# EAGLE board Mk4 Final a Panel score 2x5 (EAGLE 9.0.1), part 8 of 29 (continued)
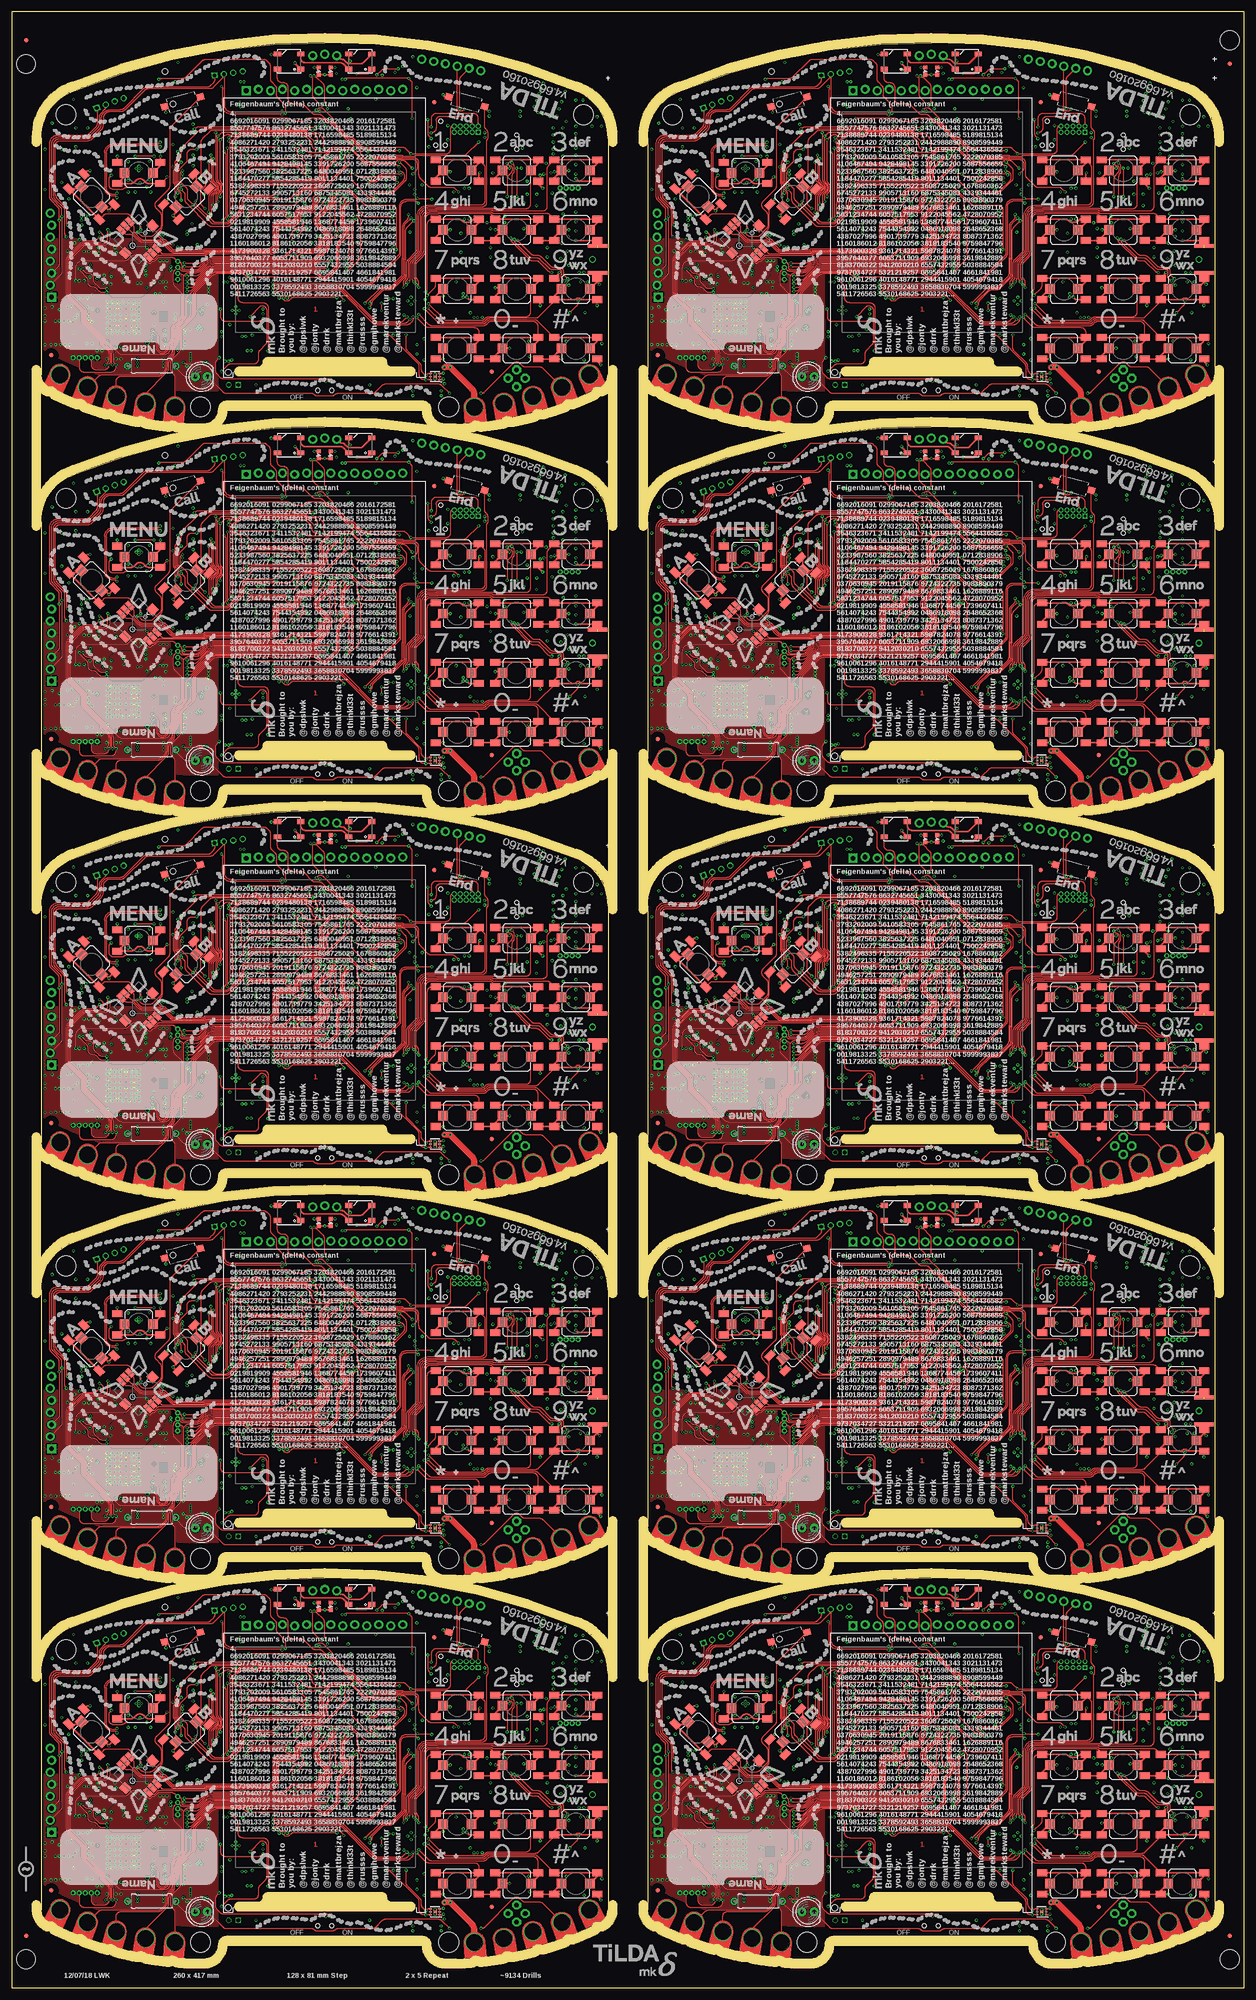
[diagram p0: board, top side]
## Tracks (layer width: path | path; a pad name or v marks a point on that pad's centre or on a via) (continued)
  3V3@2 0.15: v212.2,225.05 212.2,222.8 210.62,221.22 210.62,220.38 210.5,220.26 210.5,214.65 211.7,213.45 v211.7,212.2
  Bottom 0.15: IC92.70 189.8,229.59 arc-45 189.95,229.95 190.25,230.25 arc-45 190.61,230.4 190.79,230.4 arc45 191.15,230.55 191.85,231.25 arc45 192,231.61 C557.2 | R400.1 192,233.79 arc-45 192.15,234.15 v192.25,234.25 | v202.5,193.5 202.5,187.82 arc45 203.01,186.59 208.09,181.51 arc45 209.32,181 212.45,181 arc-90 213.7,179.75 213.7,178.16 arc-45 213.41,177.46 212.41,176.46 arc-45 212.27,176.4 211.56,176.4 arc45 211.42,176.34 211.38,176.31 arc-45 211.24,176.25 S124.2
  Bottom 0.2: C557.2 R400.1
!RESET6  (via drill 0.3)
  Top 0.15: v83.7,293.2 83.7,292.81 arc-45 83.41,292.11 82.82,291.52 arc45 82.53,290.81 82.53,284.15 arc-45 82.5,284.08 82.43,284.01 arc45 82.4,283.94 82.4,280.76 arc-45 82.11,280.06 80.24,278.19 arc-45 79.54,277.9 78.31,277.9 arc45 77.61,277.61 v74.5,274.5
  Top 0.2: J63.10 92.84,311.83 arc45 92.6,311.27 92.6,307.05 arc-90 91.6,306.05 v84.2,306.05 83.19,307.06 arc45 82.49,307.35 74.46,307.35 arc-45 73.75,307.64 72.14,309.25 arc45 71.79,309.4 71.67,309.4 arc-45 70.96,309.69 68.02,312.63 arc-45 67.73,313.34 arc45 67.6,313.65 65.83,315.42 arc90 64.42,315.42 v64.25,315.25
  3V3@2 0.15: v84.2,306.05 84.2,303.8 82.62,302.23 82.62,301.38 82.5,301.26 82.5,295.65 83.7,294.45 v83.7,293.2
  Bottom 0.15: IC110.70 61.8,310.59 arc-45 61.95,310.95 62.25,311.25 arc-45 62.61,311.4 62.79,311.4 arc45 63.15,311.55 63.85,312.25 arc45 64,312.61 C665.2 | R478.1 64,314.79 arc-45 64.15,315.15 v64.25,315.25 | v74.5,274.5 74.5,268.82 arc45 75.01,267.59 80.09,262.51 arc45 81.33,262 84.45,262 arc-90 85.7,260.75 85.7,259.16 arc-45 85.41,258.46 84.41,257.46 arc-45 84.27,257.4 83.56,257.4 arc45 83.42,257.34 83.38,257.31 arc-45 83.24,257.25 S145.2
  Bottom 0.2: C665.2 R478.1
!RESET7  (via drill 0.3)
  Top 0.15: v211.7,293.2 211.7,292.81 arc-45 211.41,292.11 210.82,291.52 arc45 210.53,290.81 210.53,284.15 arc-45 210.5,284.08 210.43,284.01 arc45 210.4,283.94 210.4,280.76 arc-45 210.11,280.06 208.24,278.19 arc-45 207.54,277.9 206.31,277.9 arc45 205.61,277.61 v202.5,274.5
  Top 0.2: J73.10 220.84,311.83 arc45 220.6,311.27 220.6,307.05 arc-90 219.6,306.05 v212.2,306.05 211.19,307.06 arc45 210.49,307.35 202.46,307.35 arc-45 201.75,307.64 200.14,309.25 arc45 199.79,309.4 199.67,309.4 arc-45 198.96,309.69 196.02,312.63 arc-45 195.73,313.34 arc45 195.6,313.65 193.83,315.42 arc90 192.42,315.42 v192.25,315.25
  3V3@2 0.15: v212.2,306.05 212.2,303.8 210.62,302.23 210.62,301.38 210.5,301.26 210.5,295.65 211.7,294.45 v211.7,293.2
  Bottom 0.15: IC128.70 189.8,310.59 arc-45 189.95,310.95 190.25,311.25 arc-45 190.61,311.4 190.79,311.4 arc45 191.15,311.55 191.85,312.25 arc45 192,312.61 C773.2 | R556.1 192,314.79 arc-45 192.15,315.15 v192.25,315.25 | v202.5,274.5 202.5,268.82 arc45 203.01,267.59 208.09,262.51 arc45 209.32,262 212.45,262 arc-90 213.7,260.75 213.7,259.16 arc-45 213.41,258.46 212.41,257.46 arc-45 212.27,257.4 211.56,257.4 arc45 211.42,257.34 211.38,257.31 arc-45 211.24,257.25 S166.2
  Bottom 0.2: C773.2 R556.1
!RESET8  (via drill 0.3)
  Top 0.15: v83.7,374.2 83.7,373.81 arc-45 83.41,373.11 82.82,372.52 arc45 82.53,371.81 82.53,365.15 arc-45 82.5,365.08 82.43,365.01 arc45 82.4,364.94 82.4,361.76 arc-45 82.11,361.06 80.24,359.19 arc-45 79.54,358.9 78.31,358.9 arc45 77.61,358.61 v74.5,355.5
  Top 0.2: J83.10 92.84,392.83 arc45 92.6,392.27 92.6,388.05 arc-90 91.6,387.05 v84.2,387.05 83.19,388.06 arc45 82.49,388.35 74.46,388.35 arc-45 73.75,388.64 72.14,390.25 arc45 71.79,390.4 71.67,390.4 arc-45 70.96,390.69 68.02,393.63 arc-45 67.73,394.34 arc45 67.6,394.65 65.83,396.42 arc90 64.42,396.42 v64.25,396.25
  3V3@2 0.15: v84.2,387.05 84.2,384.8 82.62,383.23 82.62,382.38 82.5,382.26 82.5,376.65 83.7,375.45 v83.7,374.2
  Bottom 0.15: IC146.70 61.8,391.59 arc-45 61.95,391.95 62.25,392.25 arc-45 62.61,392.4 62.79,392.4 arc45 63.15,392.55 63.85,393.25 arc45 64,393.61 C881.2 | R634.1 64,395.79 arc-45 64.15,396.15 v64.25,396.25 | v74.5,355.5 74.5,349.82 arc45 75.01,348.59 80.09,343.51 arc45 81.33,343 84.45,343 arc-90 85.7,341.75 85.7,340.16 arc-45 85.41,339.46 84.41,338.46 arc-45 84.27,338.4 83.56,338.4 arc45 83.42,338.34 83.38,338.31 arc-45 83.24,338.25 S187.2
  Bottom 0.2: C881.2 R634.1
!RESET9  (via drill 0.3)
  Top 0.15: v211.7,374.2 211.7,373.81 arc-45 211.41,373.11 210.82,372.52 arc45 210.53,371.81 210.53,365.15 arc-45 210.5,365.08 210.43,365.01 arc45 210.4,364.94 210.4,361.76 arc-45 210.11,361.06 208.24,359.19 arc-45 207.54,358.9 206.31,358.9 arc45 205.61,358.61 v202.5,355.5
  Top 0.2: J93.10 220.84,392.83 arc45 220.6,392.27 220.6,388.05 arc-90 219.6,387.05 v212.2,387.05 211.19,388.06 arc45 210.49,388.35 202.46,388.35 arc-45 201.75,388.64 200.14,390.25 arc45 199.79,390.4 199.67,390.4 arc-45 198.96,390.69 196.02,393.63 arc-45 195.73,394.34 arc45 195.6,394.65 193.83,396.42 arc90 192.42,396.42 v192.25,396.25
  3V3@2 0.15: v212.2,387.05 212.2,384.8 210.62,383.23 210.62,382.38 210.5,382.26 210.5,376.65 211.7,375.45 v211.7,374.2
  Bottom 0.15: IC164.70 189.8,391.59 arc-45 189.95,391.95 190.25,392.25 arc-45 190.61,392.4 190.79,392.4 arc45 191.15,392.55 191.85,393.25 arc45 192,393.61 C989.2 | R712.1 192,395.79 arc-45 192.15,396.15 v192.25,396.25 | v202.5,355.5 202.5,349.82 arc45 203.01,348.59 208.09,343.51 arc45 209.32,343 212.45,343 arc-90 213.7,341.75 213.7,340.16 arc-45 213.41,339.46 212.41,338.46 arc-45 212.27,338.4 211.56,338.4 arc45 211.42,338.34 211.38,338.31 arc-45 211.24,338.25 S208.2
  Bottom 0.2: C989.2 R712.1
!WAKE  (via drill 0.3)
  Top 0.15: v60.5,65.2 62.11,63.59 arc45 62.81,63.3 65.87,63.3 arc45 66.22,63.45 66.81,64.03 arc-45 67.52,64.33 71.23,64.33 arc-45 71.76,64.1 74.4,61.47 arc45 75.11,61.17 76.24,61.17 76.27,61.2 80.54,61.2 arc45 81.25,61.49 81.52,61.77 arc-45 81.66,61.83 81.94,61.83 arc-45 82.08,61.77 82.18,61.66 arc45 82.33,61.6 82.49,61.6 arc-45 83.19,61.31 v84.5,60 | v75.5,31.5 75.52,31.52 arc-45 75.75,32.08 77.98,34.31 arc-45 78.69,34.6 79.66,34.6 arc45 80.37,34.89 82.41,36.93 arc45 82.7,37.64 82.7,40.82 arc-45 82.73,40.89 82.8,40.96 arc45 82.83,41.03 82.83,47.66 arc-45 83.12,48.37 v84.22,49.48
  3V3@2 0.15: v84.22,49.48 84.22,50.58 84.1,50.7 84.1,51.48 82.8,52.78 82.8,58.13 82.92,58.26 82.92,58.42 v84.5,60
  Bottom 0.15: S20.2 58.25,14.25 59.21,13.29 arc45 59.91,13 62.88,13 arc-45 63.59,12.71 63.97,12.32 arc45 64.32,12.18 67.68,12.18 arc45 68.03,12.32 68.42,12.71 arc-45 69.12,13 82.09,13 arc45 82.79,13.29 83.54,14.04 arc-45 83.68,14.1 84.39,14.1 arc45 84.53,14.16 85.63,15.26 arc45 86,16.14 86,17.8 arc90 84.5,19.3 81.4,19.3 arc-45 80.34,19.74 75.34,24.74 arc-45 74.9,25.8 74.9,30.49 arc-45 75.19,31.19 v75.5,31.5 | IC1.64 v60.5,65.2
  Bottom 0.2: IC1.64 56.7,65.2 R5.1
!WAKE1  (via drill 0.3)
  Top 0.15: v188.5,65.2 190.11,63.59 arc45 190.81,63.3 193.87,63.3 arc45 194.22,63.45 194.81,64.03 arc-45 195.51,64.33 199.23,64.33 arc-45 199.76,64.1 202.4,61.47 arc45 203.11,61.17 204.24,61.17 204.27,61.2 208.54,61.2 arc45 209.25,61.49 209.52,61.77 arc-45 209.66,61.83 209.94,61.83 arc-45 210.08,61.77 210.18,61.66 arc45 210.32,61.6 210.49,61.6 arc-45 211.19,61.31 v212.5,60 | v203.5,31.5 203.52,31.52 arc-45 203.75,32.08 205.98,34.31 arc-45 206.69,34.6 207.66,34.6 arc45 208.37,34.89 210.41,36.93 arc45 210.7,37.64 210.7,40.82 arc-45 210.73,40.89 210.8,40.96 arc45 210.82,41.03 210.82,47.66 arc-45 211.12,48.37 v212.22,49.48
  3V3@2 0.15: v212.22,49.48 212.22,50.58 212.1,50.7 212.1,51.48 210.8,52.78 210.8,58.13 210.93,58.26 210.93,58.42 v212.5,60
  Bottom 0.15: S41.2 186.25,14.25 187.21,13.29 arc45 187.91,13 190.88,13 arc-45 191.58,12.71 191.97,12.32 arc45 192.32,12.18 195.68,12.18 arc45 196.03,12.32 196.41,12.71 arc-45 197.12,13 210.09,13 arc45 210.79,13.29 211.54,14.04 arc-45 211.68,14.1 212.39,14.1 arc45 212.53,14.16 213.63,15.26 arc45 214,16.14 214,17.8 arc90 212.5,19.3 209.4,19.3 arc-45 208.34,19.74 203.34,24.74 arc-45 202.9,25.8 202.9,30.49 arc-45 203.19,31.19 v203.5,31.5 | IC20.64 v188.5,65.2
  Bottom 0.2: IC20.64 184.7,65.2 R89.1
!WAKE2  (via drill 0.3)
  Top 0.15: v60.5,146.2 62.11,144.59 arc45 62.81,144.3 65.87,144.3 arc45 66.22,144.45 66.81,145.03 arc-45 67.52,145.32 71.23,145.32 arc-45 71.76,145.1 74.4,142.47 arc45 75.11,142.18 76.24,142.18 76.27,142.2 80.54,142.2 arc45 81.25,142.49 81.52,142.77 arc-45 81.66,142.82 81.94,142.82 arc-45 82.08,142.77 82.18,142.66 arc45 82.33,142.6 82.49,142.6 arc-45 83.19,142.31 v84.5,141 | v75.5,112.5 75.52,112.52 arc-45 75.75,113.08 77.98,115.31 arc-45 78.69,115.6 79.66,115.6 arc45 80.37,115.89 82.41,117.93 arc45 82.7,118.64 82.7,121.82 arc-45 82.73,121.89 82.8,121.96 arc45 82.83,122.03 82.83,128.66 arc-45 83.12,129.37 v84.22,130.47
  3V3@2 0.15: v84.22,130.47 84.22,131.57 84.1,131.7 84.1,132.48 82.8,133.78 82.8,139.13 82.92,139.26 82.92,139.43 v84.5,141
  Bottom 0.15: S62.2 58.25,95.25 59.21,94.29 arc45 59.91,94 62.88,94 arc-45 63.59,93.71 63.97,93.32 arc45 64.32,93.17 67.68,93.17 arc45 68.03,93.32 68.42,93.71 arc-45 69.12,94 82.09,94 arc45 82.79,94.29 83.54,95.04 arc-45 83.68,95.1 84.39,95.1 arc45 84.53,95.16 85.63,96.26 arc45 86,97.14 86,98.8 arc90 84.5,100.3 81.4,100.3 arc-45 80.34,100.74 75.34,105.74 arc-45 74.9,106.8 74.9,111.49 arc-45 75.19,112.19 v75.5,112.5 | IC38.64 v60.5,146.2
  Bottom 0.2: IC38.64 56.7,146.2 R167.1
!WAKE3  (via drill 0.3)
  Top 0.15: v188.5,146.2 190.11,144.59 arc45 190.81,144.3 193.87,144.3 arc45 194.22,144.45 194.81,145.03 arc-45 195.51,145.32 199.23,145.32 arc-45 199.76,145.1 202.4,142.47 arc45 203.11,142.18 204.24,142.18 204.27,142.2 208.54,142.2 arc45 209.25,142.49 209.52,142.77 arc-45 209.66,142.82 209.94,142.82 arc-45 210.08,142.77 210.18,142.66 arc45 210.32,142.6 210.49,142.6 arc-45 211.19,142.31 v212.5,141 | v203.5,112.5 203.52,112.52 arc-45 203.75,113.08 205.98,115.31 arc-45 206.69,115.6 207.66,115.6 arc45 208.37,115.89 210.41,117.93 arc45 210.7,118.64 210.7,121.82 arc-45 210.73,121.89 210.8,121.96 arc45 210.82,122.03 210.82,128.66 arc-45 211.12,129.37 v212.22,130.47
  3V3@2 0.15: v212.22,130.47 212.22,131.57 212.1,131.7 212.1,132.48 210.8,133.78 210.8,139.13 210.93,139.26 210.93,139.43 v212.5,141
  Bottom 0.15: S83.2 186.25,95.25 187.21,94.29 arc45 187.91,94 190.88,94 arc-45 191.58,93.71 191.97,93.32 arc45 192.32,93.17 195.68,93.17 arc45 196.03,93.32 196.41,93.71 arc-45 197.12,94 210.09,94 arc45 210.79,94.29 211.54,95.04 arc-45 211.68,95.1 212.39,95.1 arc45 212.53,95.16 213.63,96.26 arc45 214,97.14 214,98.8 arc90 212.5,100.3 209.4,100.3 arc-45 208.34,100.74 203.34,105.74 arc-45 202.9,106.8 202.9,111.49 arc-45 203.19,112.19 v203.5,112.5 | IC56.64 v188.5,146.2
  Bottom 0.2: IC56.64 184.7,146.2 R245.1
!WAKE4  (via drill 0.3)
  Top 0.15: v60.5,227.2 62.11,225.59 arc45 62.81,225.3 65.87,225.3 arc45 66.22,225.45 66.81,226.03 arc-45 67.52,226.32 71.23,226.32 arc-45 71.76,226.1 74.4,223.47 arc45 75.11,223.18 76.24,223.18 76.27,223.2 80.54,223.2 arc45 81.25,223.49 81.52,223.77 arc-45 81.66,223.82 81.94,223.82 arc-45 82.08,223.77 82.18,223.66 arc45 82.33,223.6 82.49,223.6 arc-45 83.19,223.31 v84.5,222 | v75.5,193.5 75.52,193.52 arc-45 75.75,194.07 77.98,196.31 arc-45 78.69,196.6 79.66,196.6 arc45 80.37,196.89 82.41,198.93 arc45 82.7,199.64 82.7,202.82 arc-45 82.73,202.89 82.8,202.96 arc45 82.83,203.03 82.83,209.66 arc-45 83.12,210.37 v84.22,211.47
  3V3@2 0.15: v84.22,211.47 84.22,212.57 84.1,212.7 84.1,213.48 82.8,214.78 82.8,220.13 82.92,220.26 82.92,220.43 v84.5,222
  Bottom 0.15: S104.2 58.25,176.25 59.21,175.29 arc45 59.91,175 62.88,175 arc-45 63.59,174.71 63.97,174.32 arc45 64.32,174.18 67.68,174.18 arc45 68.03,174.32 68.42,174.71 arc-45 69.12,175 82.09,175 arc45 82.79,175.29 83.54,176.04 arc-45 83.68,176.1 84.39,176.1 arc45 84.53,176.16 85.63,177.26 arc45 86,178.14 86,179.8 arc90 84.5,181.3 81.4,181.3 arc-45 80.34,181.74 75.34,186.74 arc-45 74.9,187.8 74.9,192.49 arc-45 75.19,193.19 v75.5,193.5 | IC74.64 v60.5,227.2
  Bottom 0.2: IC74.64 56.7,227.2 R323.1
!WAKE5  (via drill 0.3)
  Top 0.15: v188.5,227.2 190.11,225.59 arc45 190.81,225.3 193.87,225.3 arc45 194.22,225.45 194.81,226.03 arc-45 195.51,226.32 199.23,226.32 arc-45 199.76,226.1 202.4,223.47 arc45 203.11,223.18 204.24,223.18 204.27,223.2 208.54,223.2 arc45 209.25,223.49 209.52,223.77 arc-45 209.66,223.82 209.94,223.82 arc-45 210.08,223.77 210.18,223.66 arc45 210.32,223.6 210.49,223.6 arc-45 211.19,223.31 v212.5,222 | v203.5,193.5 203.52,193.52 arc-45 203.75,194.07 205.98,196.31 arc-45 206.69,196.6 207.66,196.6 arc45 208.37,196.89 210.41,198.93 arc45 210.7,199.64 210.7,202.82 arc-45 210.73,202.89 210.8,202.96 arc45 210.82,203.03 210.82,209.66 arc-45 211.12,210.37 v212.22,211.47
  3V3@2 0.15: v212.22,211.47 212.22,212.57 212.1,212.7 212.1,213.48 210.8,214.78 210.8,220.13 210.93,220.26 210.93,220.43 v212.5,222
  Bottom 0.15: S125.2 186.25,176.25 187.21,175.29 arc45 187.91,175 190.88,175 arc-45 191.58,174.71 191.97,174.32 arc45 192.32,174.18 195.68,174.18 arc45 196.03,174.32 196.41,174.71 arc-45 197.12,175 210.09,175 arc45 210.79,175.29 211.54,176.04 arc-45 211.68,176.1 212.39,176.1 arc45 212.53,176.16 213.63,177.26 arc45 214,178.14 214,179.8 arc90 212.5,181.3 209.4,181.3 arc-45 208.34,181.74 203.34,186.74 arc-45 202.9,187.8 202.9,192.49 arc-45 203.19,193.19 v203.5,193.5 | IC92.64 v188.5,227.2
  Bottom 0.2: IC92.64 184.7,227.2 R401.1
!WAKE6  (via drill 0.3)
  Top 0.15: v60.5,308.2 62.11,306.59 arc45 62.81,306.3 65.87,306.3 arc45 66.22,306.45 66.81,307.03 arc-45 67.52,307.32 71.23,307.32 arc-45 71.76,307.11 74.4,304.47 arc45 75.11,304.18 76.24,304.18 76.27,304.2 80.54,304.2 arc45 81.25,304.49 81.52,304.77 arc-45 81.66,304.82 81.94,304.82 arc-45 82.08,304.77 82.18,304.66 arc45 82.33,304.6 82.49,304.6 arc-45 83.19,304.31 v84.5,303 | v75.5,274.5 75.52,274.52 arc-45 75.75,275.07 77.98,277.31 arc-45 78.69,277.6 79.66,277.6 arc45 80.37,277.89 82.41,279.93 arc45 82.7,280.64 82.7,283.82 arc-45 82.73,283.89 82.8,283.96 arc45 82.83,284.03 82.83,290.66 arc-45 83.12,291.37 v84.22,292.48
  3V3@2 0.15: v84.22,292.48 84.22,293.57 84.1,293.7 84.1,294.48 82.8,295.78 82.8,301.13 82.92,301.26 82.92,301.43 v84.5,303
  Bottom 0.15: S146.2 58.25,257.25 59.21,256.29 arc45 59.91,256 62.88,256 arc-45 63.59,255.71 63.97,255.32 arc45 64.32,255.18 67.68,255.18 arc45 68.03,255.32 68.42,255.71 arc-45 69.12,256 82.09,256 arc45 82.79,256.29 83.54,257.04 arc-45 83.68,257.1 84.39,257.1 arc45 84.53,257.16 85.63,258.26 arc45 86,259.14 86,260.8 arc90 84.5,262.3 81.4,262.3 arc-45 80.34,262.74 75.34,267.74 arc-45 74.9,268.8 74.9,273.49 arc-45 75.19,274.19 v75.5,274.5 | IC110.64 v60.5,308.2
  Bottom 0.2: IC110.64 56.7,308.2 R479.1
!WAKE7  (via drill 0.3)
  Top 0.15: v188.5,308.2 190.11,306.59 arc45 190.81,306.3 193.87,306.3 arc45 194.22,306.45 194.81,307.03 arc-45 195.51,307.32 199.23,307.32 arc-45 199.76,307.11 202.4,304.47 arc45 203.11,304.18 204.24,304.18 204.27,304.2 208.54,304.2 arc45 209.25,304.49 209.52,304.77 arc-45 209.66,304.82 209.94,304.82 arc-45 210.08,304.77 210.18,304.66 arc45 210.32,304.6 210.49,304.6 arc-45 211.19,304.31 v212.5,303 | v203.5,274.5 203.52,274.52 arc-45 203.75,275.07 205.98,277.31 arc-45 206.69,277.6 207.66,277.6 arc45 208.37,277.89 210.41,279.93 arc45 210.7,280.64 210.7,283.82 arc-45 210.73,283.89 210.8,283.96 arc45 210.82,284.03 210.82,290.66 arc-45 211.12,291.37 v212.22,292.48
  3V3@2 0.15: v212.22,292.48 212.22,293.57 212.1,293.7 212.1,294.48 210.8,295.78 210.8,301.13 210.93,301.26 210.93,301.43 v212.5,303
  Bottom 0.15: S167.2 186.25,257.25 187.21,256.29 arc45 187.91,256 190.88,256 arc-45 191.58,255.71 191.97,255.32 arc45 192.32,255.18 195.68,255.18 arc45 196.03,255.32 196.41,255.71 arc-45 197.12,256 210.09,256 arc45 210.79,256.29 211.54,257.04 arc-45 211.68,257.1 212.39,257.1 arc45 212.53,257.16 213.63,258.26 arc45 214,259.14 214,260.8 arc90 212.5,262.3 209.4,262.3 arc-45 208.34,262.74 203.34,267.74 arc-45 202.9,268.8 202.9,273.49 arc-45 203.19,274.19 v203.5,274.5 | IC128.64 v188.5,308.2
  Bottom 0.2: IC128.64 184.7,308.2 R557.1
!WAKE8  (via drill 0.3)
  Top 0.15: v60.5,389.2 62.11,387.59 arc45 62.81,387.3 65.87,387.3 arc45 66.22,387.45 66.81,388.03 arc-45 67.52,388.32 71.23,388.32 arc-45 71.76,388.11 74.4,385.47 arc45 75.11,385.18 76.24,385.18 76.27,385.2 80.54,385.2 arc45 81.25,385.49 81.52,385.77 arc-45 81.66,385.82 81.94,385.82 arc-45 82.08,385.77 82.18,385.66 arc45 82.33,385.6 82.49,385.6 arc-45 83.19,385.31 v84.5,384 | v75.5,355.5 75.52,355.52 arc-45 75.75,356.07 77.98,358.31 arc-45 78.69,358.6 79.66,358.6 arc45 80.37,358.89 82.41,360.93 arc45 82.7,361.64 82.7,364.82 arc-45 82.73,364.89 82.8,364.96 arc45 82.83,365.03 82.83,371.66 arc-45 83.12,372.37 v84.22,373.48
  3V3@2 0.15: v84.22,373.48 84.22,374.57 84.1,374.7 84.1,375.48 82.8,376.78 82.8,382.13 82.92,382.26 82.92,382.43 v84.5,384
  Bottom 0.15: S188.2 58.25,338.25 59.21,337.29 arc45 59.91,337 62.88,337 arc-45 63.59,336.71 63.97,336.32 arc45 64.32,336.18 67.68,336.18 arc45 68.03,336.32 68.42,336.71 arc-45 69.12,337 82.09,337 arc45 82.79,337.29 83.54,338.04 arc-45 83.68,338.1 84.39,338.1 arc45 84.53,338.16 85.63,339.26 arc45 86,340.14 86,341.8 arc90 84.5,343.3 81.4,343.3 arc-45 80.34,343.74 75.34,348.74 arc-45 74.9,349.8 74.9,354.49 arc-45 75.19,355.19 v75.5,355.5 | IC146.64 v60.5,389.2
  Bottom 0.2: IC146.64 56.7,389.2 R635.1
!WAKE9  (via drill 0.3)
  Top 0.15: v188.5,389.2 190.11,387.59 arc45 190.81,387.3 193.87,387.3 arc45 194.22,387.45 194.81,388.03 arc-45 195.51,388.32 199.23,388.32 arc-45 199.76,388.11 202.4,385.47 arc45 203.11,385.18 204.24,385.18 204.27,385.2 208.54,385.2 arc45 209.25,385.49 209.52,385.77 arc-45 209.66,385.82 209.94,385.82 arc-45 210.08,385.77 210.18,385.66 arc45 210.32,385.6 210.49,385.6 arc-45 211.19,385.31 v212.5,384 | v203.5,355.5 203.52,355.52 arc-45 203.75,356.07 205.98,358.31 arc-45 206.69,358.6 207.66,358.6 arc45 208.37,358.89 210.41,360.93 arc45 210.7,361.64 210.7,364.82 arc-45 210.73,364.89 210.8,364.96 arc45 210.82,365.03 210.82,371.66 arc-45 211.12,372.37 v212.22,373.48
  3V3@2 0.15: v212.22,373.48 212.22,374.57 212.1,374.7 212.1,375.48 210.8,376.78 210.8,382.13 210.93,382.26 210.93,382.43 v212.5,384
  Bottom 0.15: S209.2 186.25,338.25 187.21,337.29 arc45 187.91,337 190.88,337 arc-45 191.58,336.71 191.97,336.32 arc45 192.32,336.18 195.68,336.18 arc45 196.03,336.32 196.41,336.71 arc-45 197.12,337 210.09,337 arc45 210.79,337.29 211.54,338.04 arc-45 211.68,338.1 212.39,338.1 arc45 212.53,338.16 213.63,339.26 arc45 214,340.14 214,341.8 arc90 212.5,343.3 209.4,343.3 arc-45 208.34,343.74 203.34,348.74 arc-45 202.9,349.8 202.9,354.49 arc-45 203.19,355.19 v203.5,355.5 | IC164.64 v188.5,389.2
  Bottom 0.2: IC164.64 184.7,389.2 R713.1
ADC1_HALL  (via drill 0.3)
  Top 0.15: v77,47 v78.25,47
  Bottom 0.15: IC1.13 67.4,49.06 arc-45 67.11,48.36 67.04,48.29 arc45 66.75,47.59 66.75,46.5 arc90 67.75,45.5 72.34,45.5 arc45 73.04,45.79 73.67,46.42 arc-45 74.38,46.72 76.55,46.72 76.83,47 v77,47 | v78.25,47 78.96,46.29 arc45 79.66,46 81.59,46 arc-45 82.29,45.71 88.11,39.89 arc-45 88.4,39.19 88.4,33.33 arc45 88.91,32.09 93.79,27.21 arc45 95.03,26.7 98.5,26.7 arc-90 99.5,25.7 99.5,17.91 arc-45 99.21,17.21 98.54,16.54 arc-45 97.84,16.25 IC18.2
ADC1_HALL1  (via drill 0.3)
  Top 0.15: v205,47 v206.25,47
  Bottom 0.15: IC20.13 195.4,49.06 arc-45 195.11,48.36 195.04,48.29 arc45 194.75,47.59 194.75,46.5 arc90 195.75,45.5 200.34,45.5 arc45 201.04,45.79 201.67,46.42 arc-45 202.38,46.72 204.54,46.72 204.83,47 v205,47 | v206.25,47 206.96,46.29 arc45 207.66,46 209.59,46 arc-45 210.29,45.71 216.11,39.89 arc-45 216.4,39.19 216.4,33.33 arc45 216.91,32.09 221.79,27.21 arc45 223.03,26.7 226.5,26.7 arc-90 227.5,25.7 227.5,17.91 arc-45 227.21,17.21 226.54,16.54 arc-45 225.84,16.25 IC36.2
ADC1_HALL2  (via drill 0.3)
  Top 0.15: v77,128 v78.25,128
  Bottom 0.15: IC38.13 67.4,130.06 arc-45 67.11,129.36 67.04,129.29 arc45 66.75,128.59 66.75,127.5 arc90 67.75,126.5 72.34,126.5 arc45 73.04,126.79 73.67,127.42 arc-45 74.38,127.72 76.55,127.72 76.83,128 v77,128 | v78.25,128 78.96,127.29 arc45 79.66,127 81.59,127 arc-45 82.29,126.71 88.11,120.89 arc-45 88.4,120.19 88.4,114.33 arc45 88.91,113.09 93.79,108.21 arc45 95.03,107.7 98.5,107.7 arc-90 99.5,106.7 99.5,98.91 arc-45 99.21,98.21 98.54,97.54 arc-45 97.84,97.25 IC54.2
ADC1_HALL3  (via drill 0.3)
  Top 0.15: v205,128 v206.25,128
  Bottom 0.15: IC56.13 195.4,130.06 arc-45 195.11,129.36 195.04,129.29 arc45 194.75,128.59 194.75,127.5 arc90 195.75,126.5 200.34,126.5 arc45 201.04,126.79 201.67,127.42 arc-45 202.38,127.72 204.54,127.72 204.83,128 v205,128 | v206.25,128 206.96,127.29 arc45 207.66,127 209.59,127 arc-45 210.29,126.71 216.11,120.89 arc-45 216.4,120.19 216.4,114.33 arc45 216.91,113.09 221.79,108.21 arc45 223.03,107.7 226.5,107.7 arc-90 227.5,106.7 227.5,98.91 arc-45 227.21,98.21 226.54,97.54 arc-45 225.84,97.25 IC72.2
ADC1_HALL4  (via drill 0.3)
  Top 0.15: v77,209 v78.25,209
  Bottom 0.15: IC74.13 67.4,211.06 arc-45 67.11,210.36 67.04,210.29 arc45 66.75,209.59 66.75,208.5 arc90 67.75,207.5 72.34,207.5 arc45 73.04,207.79 73.67,208.42 arc-45 74.38,208.72 76.55,208.72 76.83,209 v77,209 | v78.25,209 78.96,208.29 arc45 79.66,208 81.59,208 arc-45 82.29,207.71 88.11,201.89 arc-45 88.4,201.19 88.4,195.32 arc45 88.91,194.09 93.79,189.21 arc45 95.03,188.7 98.5,188.7 arc-90 99.5,187.7 99.5,179.91 arc-45 99.21,179.21 98.54,178.54 arc-45 97.84,178.25 IC90.2
ADC1_HALL5  (via drill 0.3)
  Top 0.15: v205,209 v206.25,209
  Bottom 0.15: IC92.13 195.4,211.06 arc-45 195.11,210.36 195.04,210.29 arc45 194.75,209.59 194.75,208.5 arc90 195.75,207.5 200.34,207.5 arc45 201.04,207.79 201.67,208.42 arc-45 202.38,208.72 204.54,208.72 204.83,209 v205,209 | v206.25,209 206.96,208.29 arc45 207.66,208 209.59,208 arc-45 210.29,207.71 216.11,201.89 arc-45 216.4,201.19 216.4,195.32 arc45 216.91,194.09 221.79,189.21 arc45 223.03,188.7 226.5,188.7 arc-90 227.5,187.7 227.5,179.91 arc-45 227.21,179.21 226.54,178.54 arc-45 225.84,178.25 IC108.2
ADC1_HALL6  (via drill 0.3)
  Top 0.15: v77,290 v78.25,290
  Bottom 0.15: IC110.13 67.4,292.06 arc-45 67.11,291.36 67.04,291.29 arc45 66.75,290.59 66.75,289.5 arc90 67.75,288.5 72.34,288.5 arc45 73.04,288.79 73.67,289.42 arc-45 74.38,289.71 76.55,289.71 76.83,290 v77,290 | v78.25,290 78.96,289.29 arc45 79.66,289 81.59,289 arc-45 82.29,288.71 88.11,282.89 arc-45 88.4,282.19 88.4,276.32 arc45 88.91,275.09 93.79,270.21 arc45 95.03,269.7 98.5,269.7 arc-90 99.5,268.7 99.5,260.91 arc-45 99.21,260.21 98.54,259.54 arc-45 97.84,259.25 IC126.2
ADC1_HALL7  (via drill 0.3)
  Top 0.15: v205,290 v206.25,290
  Bottom 0.15: IC128.13 195.4,292.06 arc-45 195.11,291.36 195.04,291.29 arc45 194.75,290.59 194.75,289.5 arc90 195.75,288.5 200.34,288.5 arc45 201.04,288.79 201.67,289.42 arc-45 202.38,289.71 204.54,289.71 204.83,290 v205,290 | v206.25,290 206.96,289.29 arc45 207.66,289 209.59,289 arc-45 210.29,288.71 216.11,282.89 arc-45 216.4,282.19 216.4,276.32 arc45 216.91,275.09 221.79,270.21 arc45 223.03,269.7 226.5,269.7 arc-90 227.5,268.7 227.5,260.91 arc-45 227.21,260.21 226.54,259.54 arc-45 225.84,259.25 IC144.2
ADC1_HALL8  (via drill 0.3)
  Top 0.15: v77,371 v78.25,371
  Bottom 0.15: IC146.13 67.4,373.06 arc-45 67.11,372.36 67.04,372.29 arc45 66.75,371.59 66.75,370.5 arc90 67.75,369.5 72.34,369.5 arc45 73.04,369.79 73.67,370.42 arc-45 74.38,370.71 76.55,370.71 76.83,371 v77,371 | v78.25,371 78.96,370.29 arc45 79.66,370 81.59,370 arc-45 82.29,369.71 88.11,363.89 arc-45 88.4,363.19 88.4,357.32 arc45 88.91,356.09 93.79,351.21 arc45 95.03,350.7 98.5,350.7 arc-90 99.5,349.7 99.5,341.91 arc-45 99.21,341.21 98.54,340.54 arc-45 97.84,340.25 IC162.2
ADC1_HALL9  (via drill 0.3)
  Top 0.15: v205,371 v206.25,371
  Bottom 0.15: IC164.13 195.4,373.06 arc-45 195.11,372.36 195.04,372.29 arc45 194.75,371.59 194.75,370.5 arc90 195.75,369.5 200.34,369.5 arc45 201.04,369.79 201.67,370.42 arc-45 202.38,370.71 204.54,370.71 204.83,371 v205,371 | v206.25,371 206.96,370.29 arc45 207.66,370 209.59,370 arc-45 210.29,369.71 216.11,363.89 arc-45 216.4,363.19 216.4,357.32 arc45 216.91,356.09 221.79,351.21 arc45 223.03,350.7 226.5,350.7 arc-90 227.5,349.7 227.5,341.91 arc-45 227.21,341.21 226.54,340.54 arc-45 225.84,340.25 IC180.2
AIN6_SPK_ADC  (via drill 0.3)
  Top 0.15: v81.7,59.4 81.8,59.4 arc-90 82.8,58.4 82.8,58.01 arc-45 82.51,57.31 80.47,55.27 arc-45 79.76,54.98 76.83,54.98 76.75,55.05 arc45 76.39,55.2 76.1,55.2 arc90 75.6,54.7 75.6,54.5 arc90 76.1,54 v76.8,54
  Bottom 0.15: R46.2 88.75,58.4 arc90 87.75,59.4 86.6,59.4 | v81.7,59.4 86.6,59.4 | v76.8,54 75.71,54 arc45 75.35,53.85 75.25,53.75 arc-45 74.89,53.6 IC1.126 | IC11.7 86.67,59.33 86.6,59.4
AIN6_SPK_ADC1  (via drill 0.3)
  Top 0.15: v209.7,59.4 209.8,59.4 arc-90 210.8,58.4 210.8,58.01 arc-45 210.51,57.31 208.47,55.27 arc-45 207.76,54.98 204.82,54.98 204.75,55.05 arc45 204.39,55.2 204.1,55.2 arc90 203.6,54.7 203.6,54.5 arc90 204.1,54 v204.8,54